# KiCad board stm32_hotswap_chiffre.kicad_pcb (continued)
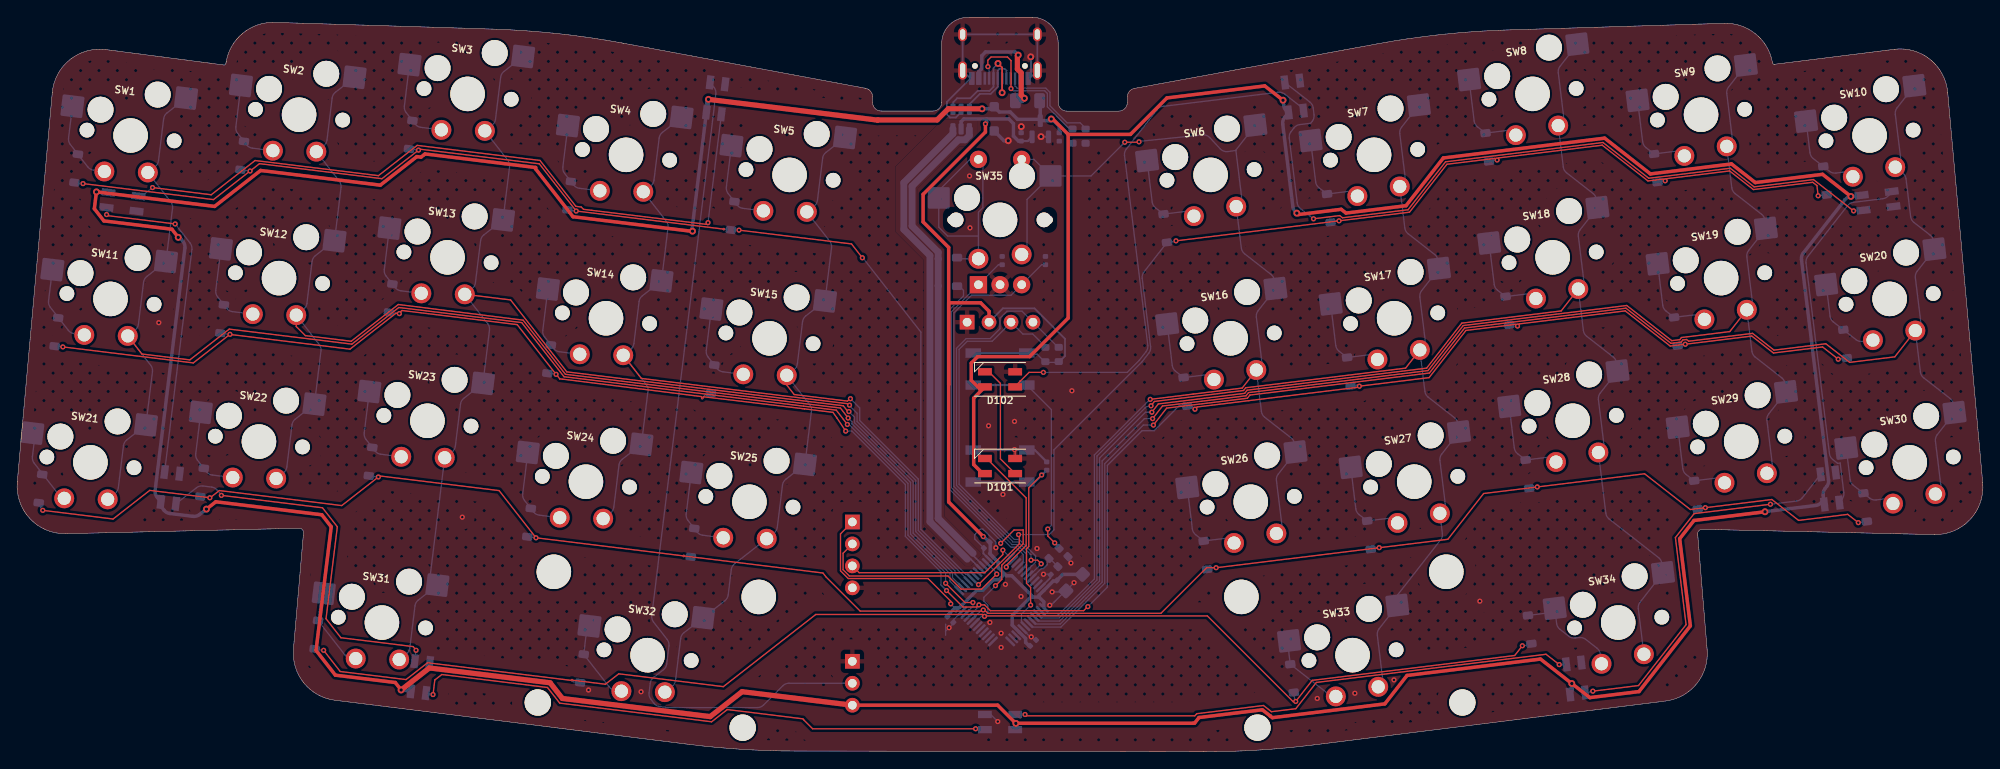
[diagram p0: board, top side]
## Routing (per net, layer and track width the routed paths; a pad name or vN(x,y) marks a point on that pad's centre or on a via; arc(x,y) is an arc through that point) (continued)
  Bottom w0.6: v2(79.93,75.47) 79.87,75.42 D111.4
GND: length 67.8
  Top w0.15: v1(115.33,34.96) 115.4,34.88 D101.2
  Bottom w0.15: v1(121.85,21.83) 121.82,21.83 121.29,22.36 ; U2.23 108.31,15.31 108.31,14.9 v1(107.76,14.34) 107.36,13.94 ; 107.36,14.74 107.36,14.73 107.36,13.47 ; v1(119.4,16.94) 119.55,16.94 119.91,17.3 ; v1(122.21,19.56) 121.28,18.62 C7.2 ; 117.56,12.99 v1(117.26,13.29) 117.13,13.29 U2.8 ; 119.47,20.54 118.69,20.54 v1(118.68,20.53) ; 112.57,4.3 v1(113.39,3.49) ; 119.91,17.3 121.21,18.6 C7.2 ; 119.91,17.3 120.11,17.5 ; C7.2 121.16,18.48 v1(119.68,18.48) ; C4.2 110.73,24.62 110.73,25.11 111.38,25.76 111.67,25.76 113.17,24.25 v1(113.17,23.6)
  Bottom w0.2: 117.05,77.89 J1.S1 J1.S1 J1.S1 J1.S1 110.24,77.89 ; 111.72,23.5 111.72,22.94 U2.35 ; U2.47 119.47,20.1 119.47,20.54 ; 110.22,77.89 107.5,75.17 107.5,73.73 107.87,73.37 108.54,73.37 109.15,73.98
  Bottom w0.25: v2(117.2,80.39) 117.23,80.36 117.23,78.23 J1.A12 ; C2.1 116.1,72.3 v2(116.11,72.32) ; U1.1 118.41,71.14 v2(118.39,71.16) ; SW37.1 SW37.1 117.68,34.9 C8.1
  Bottom w0.4: D100.2 114.1,70.69 v2(114.6,70.69)
  vias: v1(16.36,49.64) v1(51.46,27.14) v1(66.06,7.14) v1(72.14,6.94) v1(110.13,66.61) v1(110.18,60.61) v1(112.33,37.71) v1(112.48,14.96) v1(113.78,13.71) v1(113.78,12.06) v1(113.99,29.76) v1(114.28,19.36) v1(115.33,38.21) v1(116.08,17.96) v1(117.93,23.51) v1(121.96,41.76) v1(150.34,6.16) v1(154.69,6.76) v1(159.21,8.31) v1(169.14,17.41)
VBUS: length 16.7
  Top w0.6: v2(116.47,75.59) 116.1,75.96 116.1,78.53 115.66,78.97 115.66,80.49 v2(115.76,80.59)
  Bottom w0.4: J1.A4 111.19,78.68 111.54,79.03 111.54,80.52 111.98,80.96 115.4,80.96 115.76,80.6 115.76,79.01 116.09,78.68 J1.A9
  Bottom w0.6: F1.1 116.19,75.31 v2(116.47,75.59)
BOOT0: length 4.3
  Bottom w0.15: U2.44 118.42,21.18 118.66,21.18 119.11,21.64 119.11,22.16 ; R4.1 119.39,22.36
CC1: length 17.9
  Top w0.15: v1(114.92,76.71) 114.92,79.95 114.51,80.37 112.61,80.37 112.24,80 112.24,79.27
  Bottom w0.15: 121.67,72.22 121.51,72.22 119.13,74.6 119.13,76.16 118.82,76.46 115.17,76.46 v1(114.92,76.71) ; 112.39,77.9 112.39,79.12 v1(112.25,79.26)
CC2: length 11.8
  Bottom w0.15: J1.B5 115.39,77.01 115.64,76.76 118.95,76.76 119.43,76.28 119.43,74.72 121.4,72.75 122.92,72.75 123.45,72.22
col0: length 172.3
  Top w0.15: SW11.2 14.41,46.01 19.95,45.33 24.51,48.89 38.69,47.15 44.12,51.39 58.34,49.64 63.23,43.38 90.94,39.98 94.71,39.51 95.54,38.45 ; v1(107.36,19.49) 109.59,17.26 v1(110.51,17.26) ; 95.54,38.45 v1(96,37.86)
  Bottom w0.15: 14.93,38.22 15.63,43.97 arc(15.6,44.36) 15.43,44.71 SW11.2 13.63,48.78 arc(13.88,49.07) 14,49.44 14.6,54.31 arc(14.73,54.68) 14.98,54.98 16.87,56.46 ; v1(96,37.86) 96.18,37.86 103,31.04 103,25.04 107.36,20.68 v1(107.36,19.49) ; v1(110.51,17.26) 110.51,16.81 U2.22 ; 14.55,37.55 12.66,36.07 arc(12.4,35.78) 12.28,35.41 11.68,30.53 arc(11.56,30.16) 11.31,29.87 SW21.2 ; SW1.2 17.3,73.89 arc(17.05,73.59) 16.92,73.22 16.33,68.35 arc(16.2,67.98) 15.95,67.68 SW1.2 17.75,63.62 arc(17.92,63.27) 17.95,62.88 17.25,57.12
col1: length 149.3
  Top w0.15: SW12.2 32.26,49.19 33.31,48.14 38.61,47.49 44.06,51.74 58.5,49.93 63.39,43.66 90.96,40.28 95.19,39.76 v1(96.09,38.61)
  Bottom w0.15: U2.25 107.85,19.74 107.85,20.62 103.3,25.17 103.3,31.17 96.52,37.95 96.52,38.17 v1(96.09,38.61) ; SW2.2 36.79,76.29 arc(36.54,76) 36.41,75.63 35.81,70.75 arc(35.69,70.38) 35.44,70.09 SW2.2 37.24,66.02 arc(37.41,65.67) 37.44,65.29 SW12.2 34.47,57.39 arc(34.21,57.09) 34.09,56.72 33.49,51.85 arc(33.37,51.48) 33.12,51.18 SW12.2 34.92,47.11 arc(35.09,46.77) 35.12,46.38 34.41,40.62 ; 34.04,39.95 32.15,38.48 arc(31.89,38.18) 31.77,37.81 31.17,32.94 arc(31.05,32.57) 30.79,32.27 SW22.2
col2: length 150.3
  Top w0.15: SW13.2 57.05,52.27 63.55,43.95 95.53,40.02 96.04,39.37 v1(96.18,39.35)
  Bottom w0.15: 55.85,61.27 53.96,59.79 arc(53.7,59.5) 53.58,59.13 52.98,54.25 arc(52.86,53.88) 52.6,53.59 SW13.2 54.4,49.52 arc(54.58,49.17) 54.61,48.78 53.9,43.03 ; 47.75,20.34 49.38,33.6 ; 53.53,42.36 51.64,40.88 arc(51.38,40.59) 51.26,40.22 50.66,35.34 arc(50.54,34.97) 50.28,34.68 49.75,34.27 ; SW31.2 46.37,17.54 arc(46.11,17.24) 45.99,16.87 45.39,12 arc(45.27,11.63) 45.02,11.33 SW31.2 ; U2.26 108.15,20.15 108.15,20.74 103.6,25.29 103.6,31.29 96.82,38.07 96.82,38.71 v1(96.18,39.35) ; 56.22,61.93 56.93,67.69 arc(56.9,68.08) 56.73,68.43 SW3.2 54.93,72.49 arc(55.18,72.79) 55.3,73.16 55.9,78.03 arc(56.02,78.4) 56.28,78.7 SW3.2
col3: length 106.1
  Top w0.15: SW14.2 72.17,43.19 96.13,40.25 v1(96.25,40.1)
  Bottom w0.15: 74.55,54.89 75.26,60.64 arc(75.23,61.03) 75.05,61.38 SW4.2 73.25,65.45 arc(73.51,65.74) 73.63,66.11 74.23,70.98 arc(74.35,71.35) 74.61,71.65 SW4.2 ; 71.85,35.31 69.96,33.83 arc(69.71,33.54) 69.59,33.17 68.99,28.3 arc(68.87,27.92) 68.61,27.63 SW24.2 ; 72.23,35.98 72.94,41.73 arc(72.91,42.12) 72.73,42.47 SW14.2 70.93,46.54 arc(71.19,46.83) 71.31,47.2 71.91,52.08 arc(72.03,52.45) 72.28,52.74 74.17,54.22 ; U2.27 108.45,20.55 108.45,20.92 103.9,25.47 103.9,31.41 97.12,38.19 97.12,39.15 96.25,40.03 v1(96.25,40.1)
col4: length 109.9
  Top w0.15: v1(96.35,40.84) 96,40.56 89.85,41.32 88.87,42.58
  Bottom w0.15: 91.14,33.66 91.84,39.41 arc(91.82,39.8) 91.64,40.15 SW15.2 89.84,44.22 arc(90.09,44.51) 90.22,44.88 90.82,49.75 arc(90.94,50.13) 91.19,50.42 93.08,51.9 ; 93.46,52.56 94.17,58.32 arc(94.14,58.71) 93.96,59.06 SW5.2 92.16,63.12 arc(92.42,63.42) 92.54,63.79 93.14,68.66 arc(93.26,69.03) 93.51,69.33 SW5.2 ; 110,19.79 104.2,25.59 104.2,31.54 97.42,38.32 97.42,39.77 v1(96.35,40.84) ; SW32.2 75.74,7.56 arc(76,7.86) 76.12,8.23 76.72,13.1 arc(76.84,13.47) 77.1,13.77 SW32.2 81.84,17.47 arc(82.09,17.77) 82.21,18.14 82.57,21.07 arc(82.7,21.44) 82.95,21.74 SW25.2 87.52,25.31 arc(87.77,25.6) 87.9,25.97 88.49,30.85 arc(88.62,31.22) 88.87,31.51 90.76,32.99
col5: length 130.5
  Top w0.15: v1(131.03,40.77) 135.99,41.38 141.66,42.07 SW16.2 ; v1(129.73,70.56) 129.68,70.51 v1(128.08,70.51)
  Bottom w0.15: SW6.2 140.92,69.6 140.93,69.56 ; 140.93,69.56 139.99,69.43 arc(139.52,69.48) 139.12,69.74 137.92,71.04 arc(137.54,71.3) 137.08,71.36 129.78,70.62 v1(129.73,70.56) ; 140.93,69.56 141.62,63.9 ; SW6.2 141.56,58.27 arc(141.68,57.9) 141.94,57.6 145.01,55.2 arc(145.26,54.91) 145.39,54.54 ; SW35.2 117.58,68.53 SW36.S1 ; SW35.2 124.18,66.61 v1(128.08,70.51) ; SW35.2 116.78,63.89 116.78,58.15 ; 143.95,45 143.3,50.28 arc(143.33,50.67) 143.5,51.02 145.25,53.25 ; U2.2 118.89,15.78 120.35,15.78 124.56,19.99 124.56,34.33 131,40.77 v1(131.03,40.77) ; 146.27,26.09 145.62,31.37 arc(145.65,31.76) 145.82,32.11 147.57,34.35 ; SW16.2 143.88,39.36 arc(144,38.99) 144.26,38.7 147.33,36.3 arc(147.59,36) 147.71,35.63
col6: length 133.6
  Top w0.15: SW17.2 160.56,44.38 142.07,42.11 141.82,41.79 131.51,40.52 v1(131.12,40.02)
  Bottom w0.15: SW27.2 164.81,25.24 arc(164.78,24.86) 164.6,24.51 159.48,17.94 ; 118.48,15.48 120.48,15.48 124.86,19.86 124.86,34.21 130.39,39.73 130.46,39.8 130.62,39.91 130.8,39.98 130.99,40.02 131.09,40.02 v1(131.12,40.02) ; SW7.2 160.47,60.59 arc(160.59,60.22) 160.85,59.92 163.92,57.53 arc(164.17,57.23) 164.29,56.86 ; SW7.2 160.09,72.25 arc(159.91,71.9) 159.88,71.51 160.53,66.23 ; 157.93,8.2 157.28,13.49 arc(157.31,13.87) 157.49,14.22 SW33.2 ; 162.85,47.32 162.2,52.6 arc(162.23,52.99) 162.41,53.34 SW17.2 ; SW27.2 164.73,34.43 arc(164.56,34.08) 164.53,33.69 165.18,28.41 ; SW17.2 162.79,41.68 arc(162.91,41.31) 163.17,41.02 166.24,38.62 arc(166.49,38.32) 166.62,37.95
col7: length 159.9
  Top w0.15: SW18.2 178.55,51 167.06,49.58 162.99,44.38 142.23,41.83 141.94,41.46 131.96,40.24 v1(131.21,39.28)
  Bottom w0.15: SW8.2 178.8,67.64 arc(178.92,67.27) 179.17,66.97 182.24,64.57 arc(182.5,64.28) 182.62,63.91 ; v1(131.21,39.28) 130.47,39.28 125.16,33.97 125.16,19.74 123.29,17.87 123.29,17.86 120.54,15.11 118.14,15.11 U2.4 ; 183.5,35.46 182.85,40.74 arc(182.88,41.13) 183.06,41.48 184.81,43.72 ; 178.86,73.28 178.21,78.56 arc(178.24,78.95) 178.42,79.3 SW8.2 ; SW28.2 183.71,27.59 arc(183.84,27.22) 184.09,26.92 189.82,22.45 arc(190.07,22.16) 190.19,21.79 ; 181.18,54.37 180.53,59.65 arc(180.56,60.04) 180.74,60.39 182.48,62.62 ; 190.07,20.37 187.67,17.3 arc(187.5,16.95) 187.47,16.56 SW34.2 ; SW18.2 181.12,48.73 arc(181.24,48.36) 181.49,48.07 184.57,45.67 arc(184.82,45.37) 184.94,45
col8: length 155.2
  Top w0.15: v1(131.3,38.53) 132.44,39.99 142.1,41.18 142.39,41.55 163.15,44.09 167.22,49.3 186.13,51.62 191.34,47.55 192.26,47.67 192.46,47.92 198.05,48.6 SW19.2
  Bottom w0.15: 200.67,51.96 200.02,57.25 arc(200.05,57.64) 200.23,57.98 201.97,60.22 ; 198.35,70.87 197.7,76.15 arc(197.73,76.54) 197.9,76.89 SW9.2 ; 202.99,33.05 202.34,38.34 arc(202.37,38.73) 202.55,39.08 SW29.2 ; 117.77,14.77 120.62,14.77 123.59,17.74 123.59,17.74 125.46,19.62 125.46,33.65 130.35,38.53 v1(131.3,38.53) ; SW19.2 200.61,46.33 arc(200.73,45.96) 200.98,45.66 204.05,43.26 arc(204.31,42.96) 204.43,42.59 ; SW9.2 198.28,65.23 arc(198.41,64.86) 198.66,64.57 201.73,62.17 arc(201.99,61.87) 202.11,61.5
col9: length 176.4
  Top w0.15: v1(131.39,37.79) 132.92,39.75 142.26,40.9 142.55,41.26 163.31,43.81 167.38,49.02 186.04,51.31 191.25,47.24 192.42,47.39 192.62,47.64 193.05,47.69 193.3,47.49 200.68,48.4 203.16,46.46 209.16,47.2 211.91,45.04 217.13,45.68 SW20.2
  Bottom w0.15: 117.42,14.42 120.69,14.42 123.89,17.61 123.89,17.62 125.76,19.49 125.76,33.33 130.23,37.79 v1(131.39,37.79) ; 221.46,57.81 219.71,55.58 arc(219.54,55.23) 219.51,54.84 220.16,49.56 ; 217.84,68.46 217.19,73.75 arc(217.22,74.14) 217.39,74.49 SW10.2 ; 223.78,38.91 222.04,36.67 arc(221.86,36.32) 221.83,35.93 222.48,30.65 ; SW20.2 220.09,43.92 arc(220.22,43.55) 220.47,43.25 223.54,40.85 arc(223.8,40.56) 223.92,40.19 ; SW10.2 218.05,66.95 arc(218.31,66.65) 218.43,66.28 218.97,61.9 arc(219.09,61.53) 219.34,61.23 221.22,59.76 arc(221.48,59.47) 221.6,59.1
EncA: length 40.9
  Bottom w0.15: 116.36,21.95 116.36,22.79 115.49,23.66 114.92,23.66 108.02,30.56 108.02,50.89 SW36.A 113.46,56.34 C10.1
EncB: length 45.9
  Bottom w0.15: C9.1 118.46,56.34 SW36.B 114.93,52.8 110.35,52.8 108.32,50.77 108.32,30.69 115.05,23.96 115.62,23.96 116.71,22.86 116.71,21.59
NRST: length 27.4
  Top w0.15: v1(117.19,16.96) 117.19,19.01 116.71,19.48 116.71,23.48 116.97,23.73 116.97,30.52 v1(118.46,32.01)
  Bottom w0.15: v1(117.19,16.96) 116.13,15.9 116.13,15
  Bottom w0.25: SW37.2 SW37.2 117.68,31.2 C8.2
RGB: length 16.6
  Top w0.15: v1(114.38,21.36) 114.38,21.56 116.67,23.86 116.67,29.36 112.11,33.92
  Bottom w0.15: v1(114.38,21.36) 114.38,21.38 U2.38
row0: length 280.2
  Top w0.15: v1(115.79,25.11) 115.88,25.03 115.88,24.05 v1(111.16,19.33) ; v1(97.73,57.14) 96.48,58.74 v1(83.46,60.34) ; v3(81.71,60.45) v1(64.64,62.55) 60.37,68.01 46.54,69.71 v1(46.4,69.6) 42.17,66.29 28.01,68.03 v1(26.92,67.18) 22.69,63.87 v1(7.6,65.73) ; v1(208.27,64.32) 208.12,65.5 207.64,65.88 200.78,65.03 198.02,67.19 190.77,66.3 v1(190.58,66.05) 190.33,66.25 188.59,66.03 183.3,70.17 171.34,68.7 v1(171.14,68.45) 170.89,68.64 165.34,67.96 161,62.42 v1(152.86,61.42) v1(134,59.1)
  Bottom w0.15: v1(171.14,68.45) 170.24,68.34 ; 109.89,20.53 109.69,20.53 104.5,25.72 104.5,48.54 97.79,57.13 v1(97.73,57.14) ; v1(46.4,69.6) D3.2 ; v1(190.58,66.05) 189.74,65.95 ; U2.29 111.09,19.33 v1(111.16,19.33) ; v1(208.27,64.32) D10.2 ; D1.2 v1(7.6,65.73) ; v1(115.79,25.11) 119.33,25.11 119.89,25.67 119.89,34.93 130.03,45.06 arc(130.07,45.11) 130.11,45.16 130.86,46.12 arc(131.04,46.47) 131.07,46.86 130.09,54.77 arc(130.12,55.16) 130.3,55.51 D6.2 133.95,59.04 v1(134,59.1) ; v1(64.64,62.55) 63.64,62.67 ; v1(26.92,67.18) 25.82,67.32 ; v1(152.86,61.42) 151.92,61.3 ; v1(83.46,60.34) 82.56,60.34 ; v3(81.71,60.45) 82.52,60.36
row1: length 261.1
  Top w0.15: v1(210.59,45.41) 208.78,46.82 203.1,46.13 200.59,48.09 v1(192.9,47.14) 191.16,46.93 185.95,51 173.69,49.49 v1(173.5,49.24) 173.25,49.44 167.54,48.74 163.27,43.28 v1(155.21,42.29) 155.12,42.17 142.42,40.62 136.45,39.88 v1(136.19,39.62) ; v1(95.8,37.09) 94.8,38.59 94.34,39.26 91.02,39.66 91.04,39.66 90.78,39.69 79.36,41.06 v3(79.22,40.91) 79.09,41.09 63.07,43.1 62.73,43.14 62.73,43.14 62.33,43.65 ; 44.21,50.82 44.5,51.04 57.81,49.41 v1(62.31,43.66) ; v1(44.18,50.68) 43.79,50.73 38.47,46.57 24.6,48.27 ; v1(123.81,16.78) 123.79,16.78 123.32,16.31 112.54,16.31 111.87,16.99 v1(111.21,16.99) 110.96,16.74 109.37,16.74 v1(107.47,18.64) ; v1(24.59,48.29) 20.36,44.98 v1(5.27,46.83)
  Bottom w0.15: v1(192.9,47.14) 192.06,47.04 ; D13.2 44.18,50.68 v1(44.18,50.68) ; 4.28,46.95 v1(5.27,46.83) ; D16.2 134.35,40.01 131.48,37.14 130.07,37.14 126.06,33.13 126.06,19.04 v1(123.81,16.78) ; v1(111.21,16.99) 111.21,16.8 U2.21 ; v1(62.31,43.66) D14.2 ; D18.2 173.21,49.47 v1(173.5,49.24) ; v1(107.47,18.64) 106.81,19.3 106.81,20.8 102.7,24.92 102.7,30.92 96.53,37.09 v1(95.8,37.09) ; v1(24.59,48.29) D12.2 ; v3(79.22,40.91) 79.36,41.09 arc(79.71,41.36) 80.14,41.46 ; v1(155.21,42.29) 155.02,42.43 D17.2 ; 135.81,40.01 v1(136.19,39.62) ; v1(210.59,45.41) 211.58,45.53
row2: length 236.9
  Top w0.15: 60.01,24.75 v3(77.08,22.65) 93.18,20.67 93.55,20.2 97.48,16.27 111.58,16.27 v1(111.71,16.4) 111.86,16.4 112.25,16.01 132.26,16.01 137.54,21.29 v1(138.65,21.29) v1(157.5,23.6) 165.44,24.58 169.58,29.87 v1(175.78,30.63) 188.19,32.16 193.48,28.02 v1(195.22,28.23) 202.91,29.18 206.01,26.76 211.69,27.46 v1(212.91,26.5) ; 41.89,31.91 55.72,30.21 v1(59.99,24.75) ; v1(41.76,31.78) 37.52,28.48 23.36,30.21 22.28,29.37 ; v1(22.27,29.38) 15.31,30.23 11.08,26.92 2.95,27.92 v1(2.95,27.92)
  Bottom w0.15: v1(41.76,31.78) D23.2 ; U2.20 111.52,16.4 v1(111.71,16.4) ; D26.2 138.6,21.22 v1(138.65,21.29) ; v1(175.78,30.63) 174.88,30.52 ; v1(157.5,23.6) 156.56,23.49 ; 2.51,28.48 v1(2.95,27.92) ; v1(195.22,28.23) 194.38,28.13 ; v1(22.27,29.38) D22.2 ; v3(77.08,22.65) D25.2 ; v1(59.99,24.75) D24.2 ; v1(212.91,26.5) 213.91,26.62
row3: length 204.8
  Top w0.15: v1(35.43,11.73) 37.34,9.28 44.96,8.35 47.45,10.29 64.11,8.25 v3(64.15,8.28) 68.01,7.81 69.56,9.01 81.65,7.53 92.34,15.88 111.64,15.88 v1(111.85,15.66) 111.91,15.71 137.63,15.71 147.56,5.78 v1(147.85,5.82) 149.76,8.26 173.18,11.13 v1(174.06,12.26) ; v1(113.13,19.21) 113.85,19.93 113.85,21.58 116.33,24.05 116.33,25.65 115.27,25.65 v1(113.73,24.11)
  Bottom w0.15: D33.2 147.74,5.9 v1(147.85,5.82) ; U2.19 111.49,15.66 v1(111.85,15.66) 112.24,16.05 112.24,16.95 111.78,17.41 111.78,17.86 v1(113.13,19.21) ; v1(113.73,24.11) 113.73,24.43 107.72,30.44 107.72,51.02 109.43,52.73 109.43,53.37 108.68,54.12 ; v1(35.43,11.73) 34.41,11.86 ; v1(174.06,12.26) 175.01,12.38 ; D32.2 64.3,8.09 v3(64.15,8.28)
SCL: length 42.7
  Bottom w0.15: 114.92,49.66 112.75,47.49 109.86,47.49 108.92,46.55 108.92,30.94 115.29,24.56 115.86,24.56 117.76,22.66 117.76,21.94 U2.42 ; 118.89,46.86 117.44,48.32 116.3,48.32 J2.3
SDA: length 47.6
  Top w0.15: v1(117.24,22.16) 117.99,22.16 v1(118.41,21.74)
  Bottom w0.15: v1(118.41,21.74) 117.09,20.42 U2.43 ; 120.29,46.87 J2.4 116.19,50.96 114.45,50.96 113.64,50.15 113.64,48.93 112.5,47.79 109.74,47.79 108.62,46.67 108.62,30.81 115.17,24.26 115.74,24.26 117.24,22.76 v1(117.24,22.16)
SWCLK: length 19.5
  Top w0.15: 97.12,20.96 97.37,20.71 111.88,20.71 113.98,22.81 v1(113.98,23.32)
  Bottom w0.15: 114.76,22.54 v1(113.98,23.32)
SWDIO: length 24.6
  Top w0.15: v1(113.27,20.55) 111.53,18.81 109.15,18.81 107.63,20.33 96.22,20.33 95.5,21.05 95.5,22.96 J3.2
  Bottom w0.15: U2.34 113.27,20.69 v1(113.27,20.55)
USB_D_N: length 71.5
  Top w0.2: v2(113.89,76.24) 113.89,79.14 v2(113.42,79.62)
  Bottom w0.2: 108.25,74.38 108.25,75.16 108.69,75.59 110.21,75.59 111.07,76.45 112.43,76.45 112.89,76.91 J1.B7 112.89,79.1 v2(113.42,79.62) ; v2(113.89,76.24) J1.A7 ; U2.32 110.26,22.28 109.87,22.28
  Bottom w0.8: 109.87,22.28 105.55,26.6 105.55,57.4 102.53,60.42 102.53,65.82 108.2,71.5 U3.6
USB_D_P: length 65.3
  Bottom w0.2: 110.1,74.89 111.32,76.1 112.58,76.1 113.39,76.92 J1.A6 113.39,78.81 113.57,78.99 114.22,78.99 114.39,78.81 J1.B6 ; 110.54,22.95 110.54,22.71 U2.33
  Bottom w0.8: 110.54,22.95 106.5,26.99 106.5,53.88 106.5,57.8 103.48,60.82 103.48,65.43 108.84,70.79 109.61,70.79 110.1,71.28 U3.4
Net-(D1-K): length 9.8
  Bottom w0.15: D1.1 6.13,70.25 arc(5.95,70.6) 5.93,70.99 SW1.1 ; SW1.1 8.82,67.28 arc(8.45,67.4) 8.15,67.66 7.01,69.12
Net-(D2-K): length 10
  Bottom w0.15: D2.1 25.48,71.54 arc(25.31,71.89) 25.28,72.28 SW2.1 ; SW2.1 27.19,69.82 arc(26.82,69.95) 26.53,70.2
Net-(D3-K): length 10
  Bottom w0.15: SW3.1 44.77,74.68 arc(44.79,74.29) 44.97,73.95 D3.1 ; SW3.1 46.68,72.23 arc(46.31,72.35) 46.02,72.61
Net-(D4-K): length 10
  Bottom w0.15: D4.1 63.3,66.9 arc(63.12,67.25) 63.09,67.64 SW4.1 ; SW4.1 65.01,65.18 arc(64.64,65.3) 64.34,65.56
Net-(D5-K): length 10
  Bottom w0.15: D5.1 82.21,64.58 arc(82.03,64.92) 82,65.31 SW5.1 ; SW5.1 83.92,62.86 arc(83.55,62.98) 83.25,63.24
Net-(D6-K): length 8.8
  Bottom w0.15: 135.34,62.53 132.97,62.24 ; SW6.1 131.25,63.59 arc(131.37,63.22) 131.63,62.92 132.24,62.45
Net-(D7-K): length 8.8
  Bottom w0.15: 154.25,64.86 151.88,64.57 ; 151.14,64.77 150.54,65.25 arc(150.28,65.54) 150.16,65.91 SW7.1
Net-(D8-K): length 8.8
  Bottom w0.15: 169.47,71.82 168.86,72.29 arc(168.61,72.59) 168.49,72.96 SW8.1 ; 172.57,71.91 170.21,71.61
Net-(D9-K): length 8.8
  Bottom w0.15: SW9.1 187.97,70.56 arc(188.1,70.18) 188.35,69.89 188.96,69.41 ; 192.06,69.5 189.7,69.21
Net-(D10-K): length 8.9
  Bottom w0.15: 211.55,67.09 210.32,66.94 arc(209.93,66.97) 209.58,67.15 207.7,68.62 arc(207.45,68.92) 207.32,69.29 SW10.1
Net-(D11-K): length 9.8
  Bottom w0.15: SW11.1 3.61,52.16 arc(3.64,51.77) 3.82,51.42 5.91,48.74 arc(6.2,48.49) 6.57,48.36 SW11.1
Net-(D12-K): length 10
  Bottom w0.15: D12.1 23.16,52.63 arc(22.98,52.98) 22.96,53.37 SW12.1 ; SW12.1 24.87,50.92 arc(24.5,51.04) 24.21,51.29
Net-(D13-K): length 10
  Bottom w0.15: SW13.1 42.44,55.78 arc(42.47,55.39) 42.65,55.04 D13.1 ; SW13.1 44.36,53.32 arc(43.99,53.44) 43.7,53.7
Net-(D14-K): length 10
  Bottom w0.15: SW14.1 60.77,48.73 arc(60.8,48.34) 60.98,47.99 D14.1 ; SW14.1 62.69,46.27 arc(62.32,46.4) 62.02,46.65
Net-(D15-K): length 10
  Bottom w0.15: D15.1 79.88,45.67 arc(79.71,46.02) 79.68,46.41 SW15.1 ; SW15.1 81.6,43.95 arc(81.23,44.07) 80.93,44.33
Net-(D16-K): length 8.8
  Bottom w0.15: 137.66,43.63 135.29,43.34 ; SW16.1 133.57,44.68 arc(133.69,44.31) 133.95,44.02 134.56,43.54
Net-(D17-K): length 8.8
  Bottom w0.15: 156.57,45.95 154.2,45.66 ; 153.47,45.86 152.86,46.34 arc(152.6,46.63) 152.48,47 SW17.1
Net-(D18-K): length 8.8
  Bottom w0.15: 171.79,52.91 171.18,53.39 arc(170.93,53.68) 170.81,54.05 SW18.1 ; 174.9,53 172.53,52.71
Net-(D19-K): length 8.8
  Bottom w0.15: 191.28,50.51 190.67,50.98 arc(190.42,51.28) 190.3,51.65 SW19.1 ; 194.38,50.59 192.02,50.3
Net-(D20-K): length 9.8
  Bottom w0.15: SW20.1 213.38,47.47 arc(212.99,47.49) 212.64,47.67 210.02,49.72 arc(209.77,50.02) 209.64,50.39 SW20.1
Net-(D21-K): length 8.5
  Bottom w0.15: 4.93,29.57 1.95,33.39 arc(1.78,33.73) 1.75,34.12 2.1,37.01
Net-(D22-K): length 10
  Bottom w0.15: SW22.1 20.63,34.46 arc(20.66,34.07) 20.84,33.72 D22.1 ; SW22.1 22.55,32.01 arc(22.18,32.13) 21.89,32.38
Net-(D23-K): length 10
  Bottom w0.15: SW23.1 42.04,34.41 arc(41.67,34.54) 41.37,34.79 ; SW23.1 40.12,36.87 arc(40.15,36.48) 40.33,36.13 D23.1
Net-(D24-K): length 10
  Bottom w0.15: SW24.1 58.45,29.82 arc(58.48,29.43) 58.65,29.08 D24.1 ; SW24.1 60.37,27.36 arc(60,27.49) 59.7,27.74
Net-(D25-K): length 10
  Bottom w0.15: D25.1 77.56,26.76 arc(77.39,27.11) 77.36,27.5 SW25.1 ; SW25.1 79.28,25.04 arc(78.9,25.17) 78.61,25.42
Net-(D26-K): length 8.8
  Bottom w0.15: 136.88,24.63 136.27,25.11 arc(136.02,25.4) 135.89,25.77 SW26.1 ; 139.98,24.72 137.62,24.43
Net-(D27-K): length 9.6
  Bottom w0.15: 158.89,27.04 D27.1 155.18,27.43 arc(154.92,27.73) 154.8,28.1 SW27.1
Net-(D28-K): length 8.8
  Bottom w0.15: 174.11,34 173.51,34.48 arc(173.25,34.77) 173.13,35.14 SW28.1 ; 177.22,34.09 174.85,33.8
Net-(D29-K): length 8.8
  Bottom w0.15: SW29.1 192.62,32.74 arc(192.74,32.37) 192.99,32.07 193.6,31.6 ; 196.71,31.68 194.34,31.39
Net-(D30-K): length 8.9
  Bottom w0.15: SW30.1 211.97,31.47 arc(212.09,31.1) 212.34,30.81 214.23,29.33 arc(214.58,29.16) 214.97,29.13 216.19,29.28
Net-(D31-K): length 8.3
  Bottom w0.15: 38.12,10.9 35.05,14.83 arc(34.87,15.18) 34.84,15.57 35.15,18.09
Net-(D32-K): length 8.6
  Bottom w0.15: 65.88,14.33 65.56,11.68 arc(65.59,11.29) 65.76,10.94 68.47,7.47 arc(68.77,7.22) 69.14,7.09
Net-(D33-K): length 8.6
  Bottom w0.15: 152.05,6.35 147.55,9.87 arc(147.29,10.16) 147.17,10.53 146.91,12.62
Net-(D34-K): length 12.3
  Bottom w0.15: D34.1 177.41,16.1 ; SW34.1 178.02,14.83 arc(178.14,14.46) 178.4,14.17 179.44,13.35 arc(179.79,13.18) 180.18,13.15 180.64,13.21 arc(181.03,13.18) 181.38,13 182.7,11.97 arc(182.95,11.68) 183.07,11.3 SW34.1
Net-(D35-K): length 28
  Bottom w0.15: 106.57,64.92 110.18,68.53 SW36.S2 ; 108.81,57.03 SW35.1 111.15,59.66 ; 111.67,68.01 111.67,62.93 111.15,62.42 111.15,59.66 ; SW35.1 106.57,60.68 107.59,59.66 111.15,59.66
Net-(D101-DOUT): length 13
  Top w0.15: D101.1 113.7,33.88 113.7,42.61 112.35,43.95
Net-(D102-DOUT): length 64
  Top w0.15: v1(118.66,43.89) 117.01,43.89 115.98,42.85 116,42.88 115.4,42.28
  Bottom w0.15: v1(118.66,43.89) 128.37,43.89 129.76,45.28 129.76,45.28 130.54,46.28 arc(130.71,46.63) 130.74,47.02 128.05,68.98 arc(128.08,69.36) 128.25,69.71 131.82,74.28 arc(132.12,74.54) 132.49,74.66 145.82,76.3 arc(146.21,76.27) 146.56,76.09 148.59,74.5
Net-(D103-DOUT): length 90.1
  Top w0.15: v1(149.91,61.65) 152.94,62.02 153.26,61.77 160.84,62.7 165.18,68.25 183.38,70.48 188.68,66.34 198.11,67.5 200.86,65.35 207.73,66.19 v1(212.36,62.57)
  Bottom w0.15: D103.1 149.49,75.15 arc(149.75,74.86) 149.87,74.49 149.97,73.69 arc(149.94,73.3) 149.77,72.95 149.58,72.7 148.32,72.55 arc(147.94,72.43) 147.65,72.17 147.31,71.73 arc(147.13,71.39) 147.1,71 148.02,63.5 arc(148.14,63.13) 148.4,62.83 v1(149.91,61.65) ; v1(212.36,62.57) 213.44,62.7
Net-(D104-DOUT): length 42.7
  Bottom w0.15: D104.1 216.42,64.35 arc(216.12,64.1) 215.75,63.98 212.34,63.56 arc(211.97,63.44) 211.67,63.18 207.07,57.29 arc(206.89,56.94) 206.86,56.55 209.58,34.47 arc(209.7,34.1) 209.95,33.8 210.52,33.36 210.82,33.4 211.24,29.96 arc(211.21,29.57) 211.03,29.22 D105.3
Net-(D105-DOUT): length 45
  Top w0.15: v1(202.75,28.63) 193.92,27.55 191.76,24.77 192.99,14.7 187.49,7.66 v1(182.21,7.01)
  Bottom w0.15: D106.3 182.16,6.95 v1(182.21,7.01) ; v1(202.75,28.63) 205.77,29 arc(206.14,29.12) 206.44,29.38 208.55,32.09
Net-(D106-DOUT): length 66.4
  Top w0.15: v1(178.33,10.08) 176.79,11.27 150.23,8.01 147.86,4.98 145.04,4.63 144.12,5.35 136.41,4.4 136.35,4.33 136.18,4.15 116.69,4.15 v1(116.54,4.31)
  Bottom w0.15: D106.1 178.41,10.01 v1(178.33,10.08) ; v1(116.54,4.31) 115.4,4.31
Net-(D107-DOUT): length 68.3
  Top w0.15: v1(110.83,2.65) 91.98,2.65 90.98,3.65 90.86,3.8 82.11,4.88 80.3,3.46 62.73,5.62 61.31,7.43 49.09,8.93 48.29,8.3 v1(48.08,6.61)
  Bottom w0.15: v1(48.08,6.61) 47.33,6.7 ; v1(110.83,2.65) 111.8,2.65
Net-(D108-DOUT): length 44.7
  Top w0.15: v1(46.11,11.74) 45.78,12.16 37.42,13.19 35.71,15.39 37.01,26.02 35.3,28.22 v1(23.6,29.66)
  Bottom w0.15: D108.1 46.11,11.73 v1(46.11,11.74) ; D109.3 20.72,30.54 arc(21.07,30.71) 21.46,30.74 22.48,30.62 arc(22.85,30.5) 23.14,30.24 v1(23.6,29.66)
Net-(D109-DOUT): length 38.3
  Top w0.15: v1(18.26,61.06) 10.42,62.02 v1(10.33,62.14)
  Bottom w0.15: v1(18.26,61.06) 19.99,58.84 arc(20.17,58.49) 20.19,58.1 D109.1 ; v1(10.33,62.14) 10.41,62.84
Net-(D110-DOUT): length 84.4
  Top w0.15: v1(15.64,65.27) 22.43,64.43 27.5,68.4 41.76,66.64 46.25,70.15 60.45,68.4 64.59,63.1 65.22,63.01 65.48,62.75 66.45,62.63 79.85,60.99 79.85,61.18 v1(79.88,61.21)
  Bottom w0.15: v1(15.64,65.27) 14.32,64.24 ; D111.3 v1(79.88,61.21)
Net-(D111-DOUT): length 98.3
  Bottom w0.15: D111.1 80.58,76.84 arc(80.76,76.49) 80.79,76.1 73.38,15.74 arc(73.4,15.35) 73.58,15 75.16,12.98 arc(75.33,12.63) 75.36,12.25 75.11,10.15 arc(74.98,9.78) 74.73,9.49 73.58,8.59 arc(73.32,8.29) 73.2,7.92 73.06,6.81 arc(73.09,6.42) 73.27,6.07 73.63,5.61 arc(73.92,5.35) 74.29,5.23 75.26,5.11 arc(75.32,5.11) 75.38,5.11 85.59,5.11 arc(85.98,5.18) 86.3,5.4 88.53,7.63 arc(88.85,7.84) 89.23,7.92 J101.2
Net-(R3-Pad1): length 26.9
  Top w0.15: v1(119.18,25.76) 119.18,24.96 v1(119.98,24.16)
  Bottom w0.15: v1(119.98,24.16) 119.99,24.16 120.55,23.59 ; v1(119.18,25.76) 119.59,26.17 119.59,39.58 SW38.2
  Bottom w0.25: SW38.2 SW38.2

## Copper pours and planes (outline as drawn; the poured copper is in the pictures)
GND on Top, Bottom: -20.1,132.62 -20.1,-8.38 236.9,-8.38 238.9,-6.38 238.9,132.62
GND on Top, Bottom: 106.98,73.12 111,73.12 111,71.17 109.85,70.02 109,70.02 104.15,65.17 104.15,61.2 104.1,61.15 107.05,58.2 107.15,58.2 107.25,58.1 107.25,27.22 111.54,22.94 111.55,22.76 110.26,21.47 109.65,21.47 104.83,26.3 104.83,56.87 101.55,60.15 101.55,67.7

## Text on the board
B.Silkscreen: Le Chiffre STM32 v0.1 by sporkus | JLCJLCJLCJLC | D100 | gnd | 3v3 | scl | sda | swdio | swclk | rgb_out | 5v | DFU | RST | optional
User.Comments: bot rst sw | top LED | 227.34 x 84.92mm
